# Altium PCB Rev with streo jack.PcbDoc
Units mm, origin at the board's own origin, x right, y up, seen from the top; angles counter-clockwise.
Board outline 96.2 x 166 mm, 2 copper layers (Top Layer, Bottom Layer); 59 components, 48 nets, 211 pads, 20 vias.
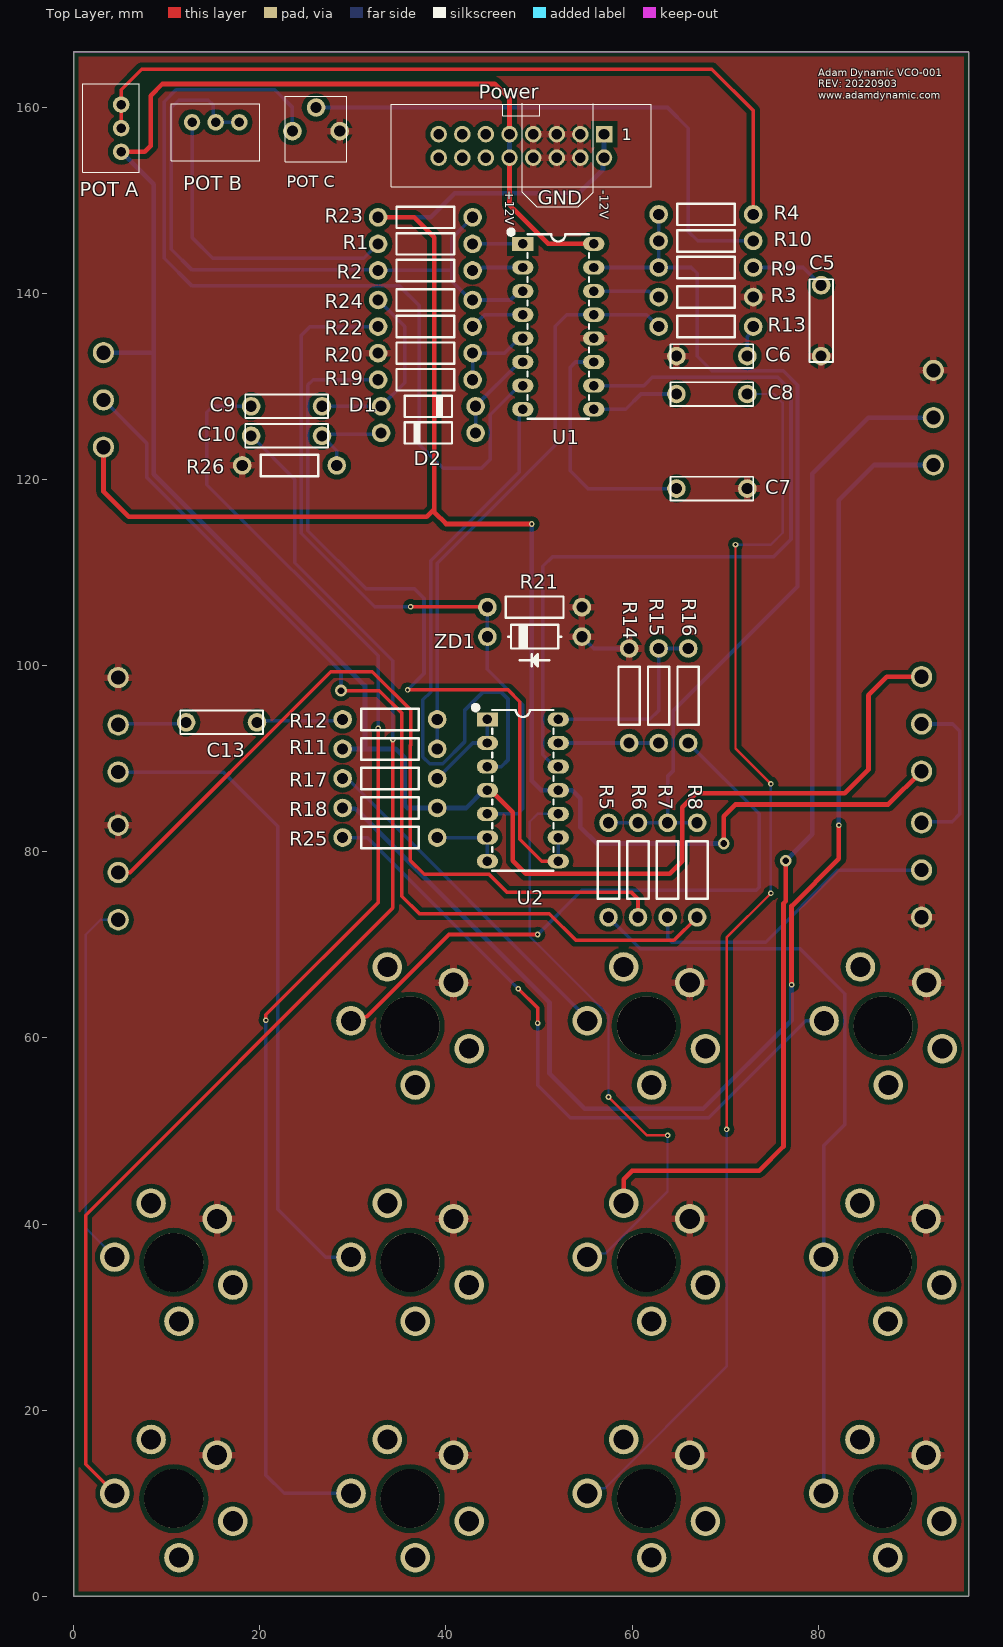
[diagram p0: Top Layer view]
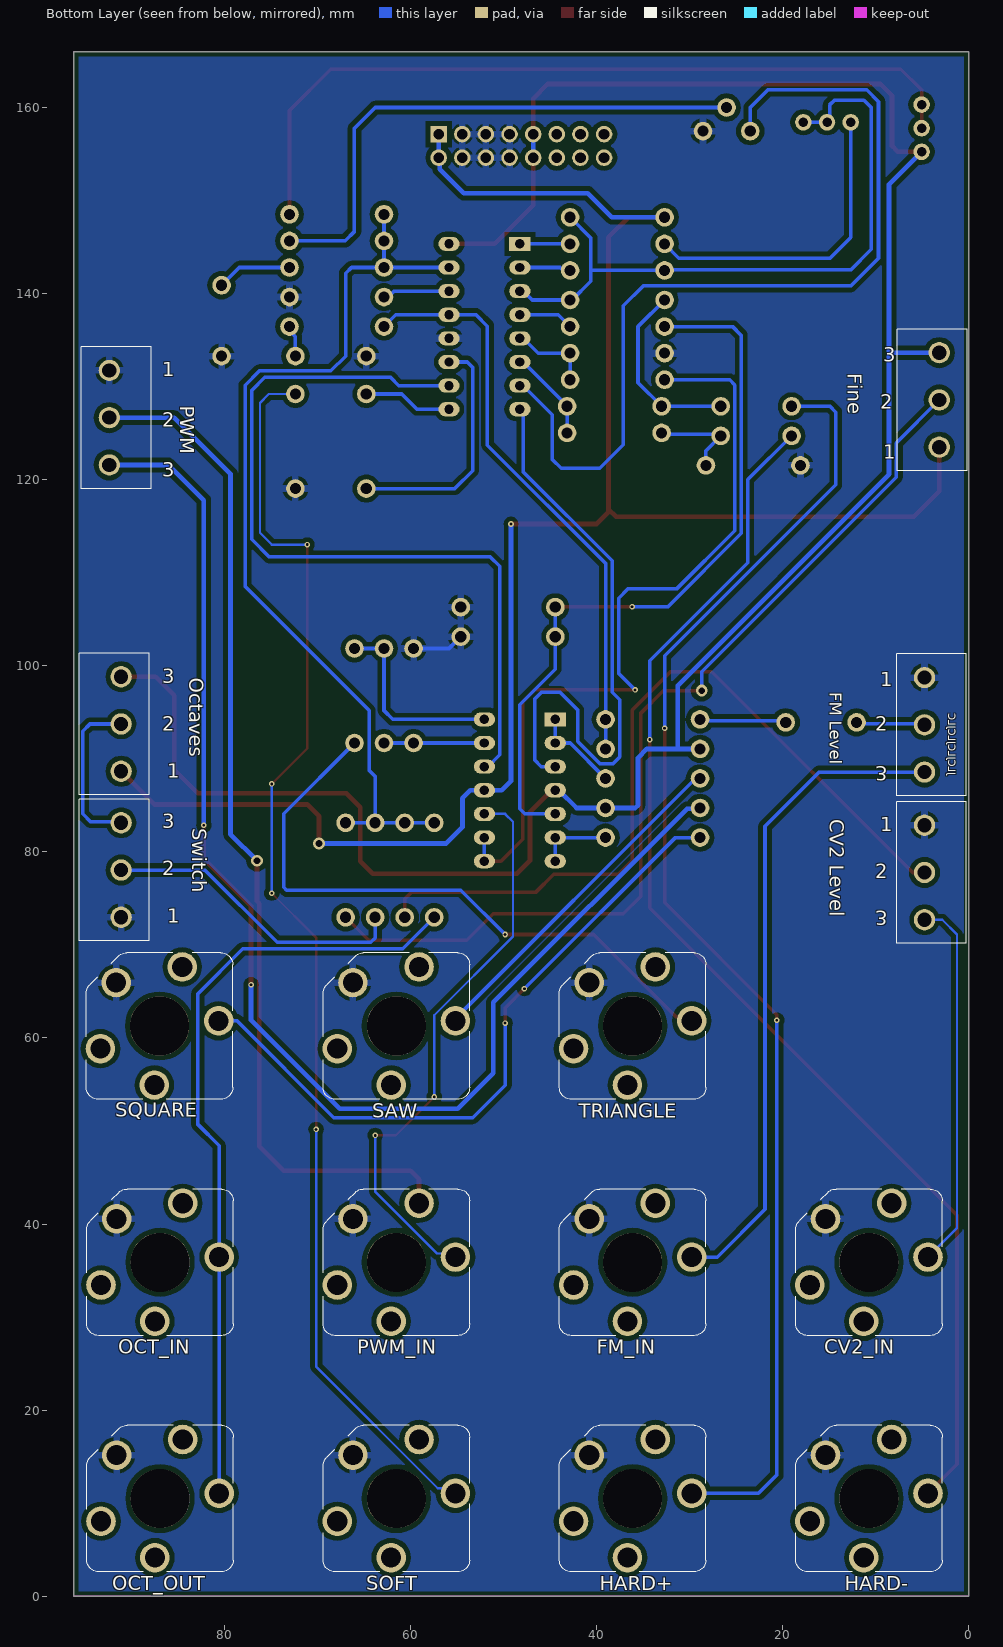
[diagram p1: Bottom Layer view, seen from below]
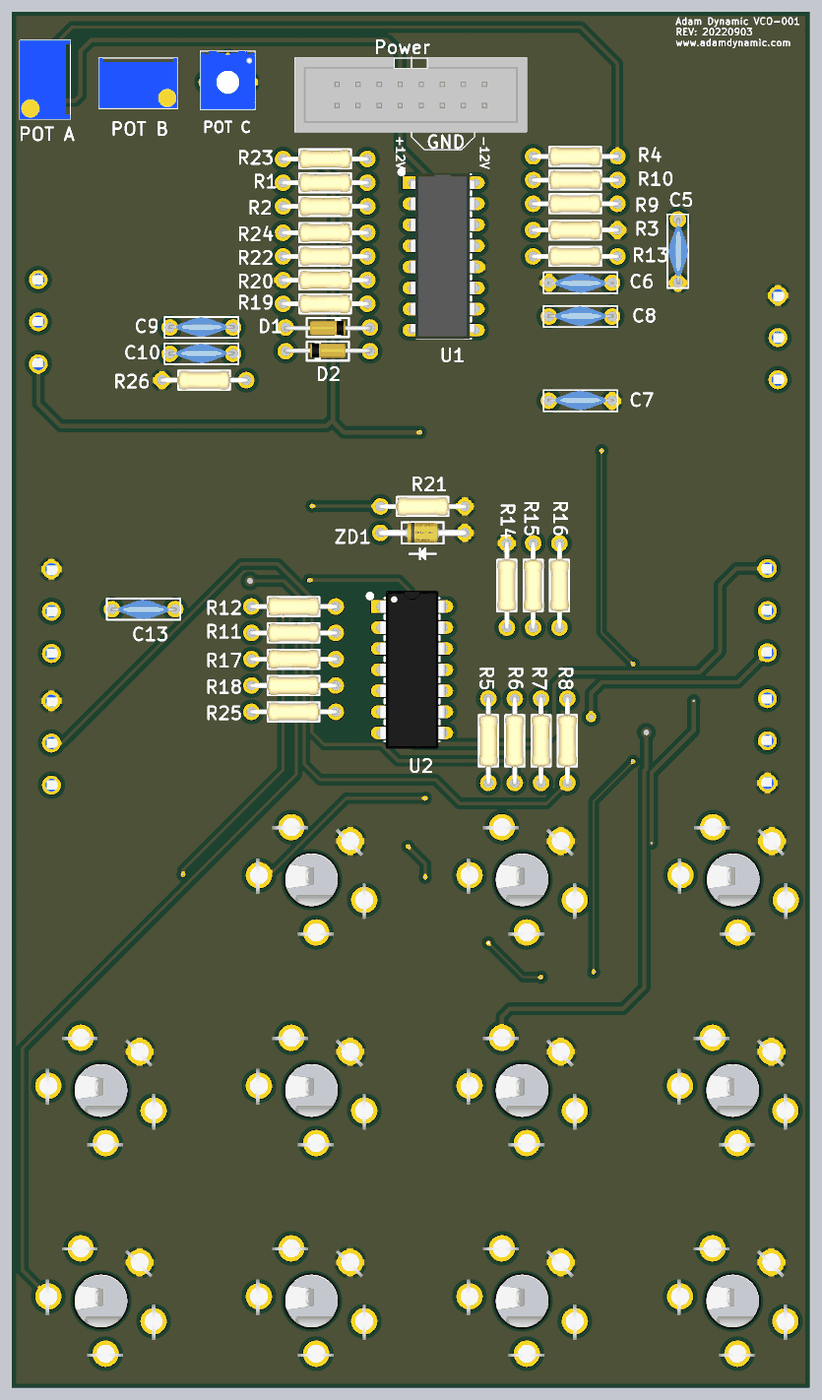
[diagram p2: 3D render of the assembled board from above, using the file's embedded part models]
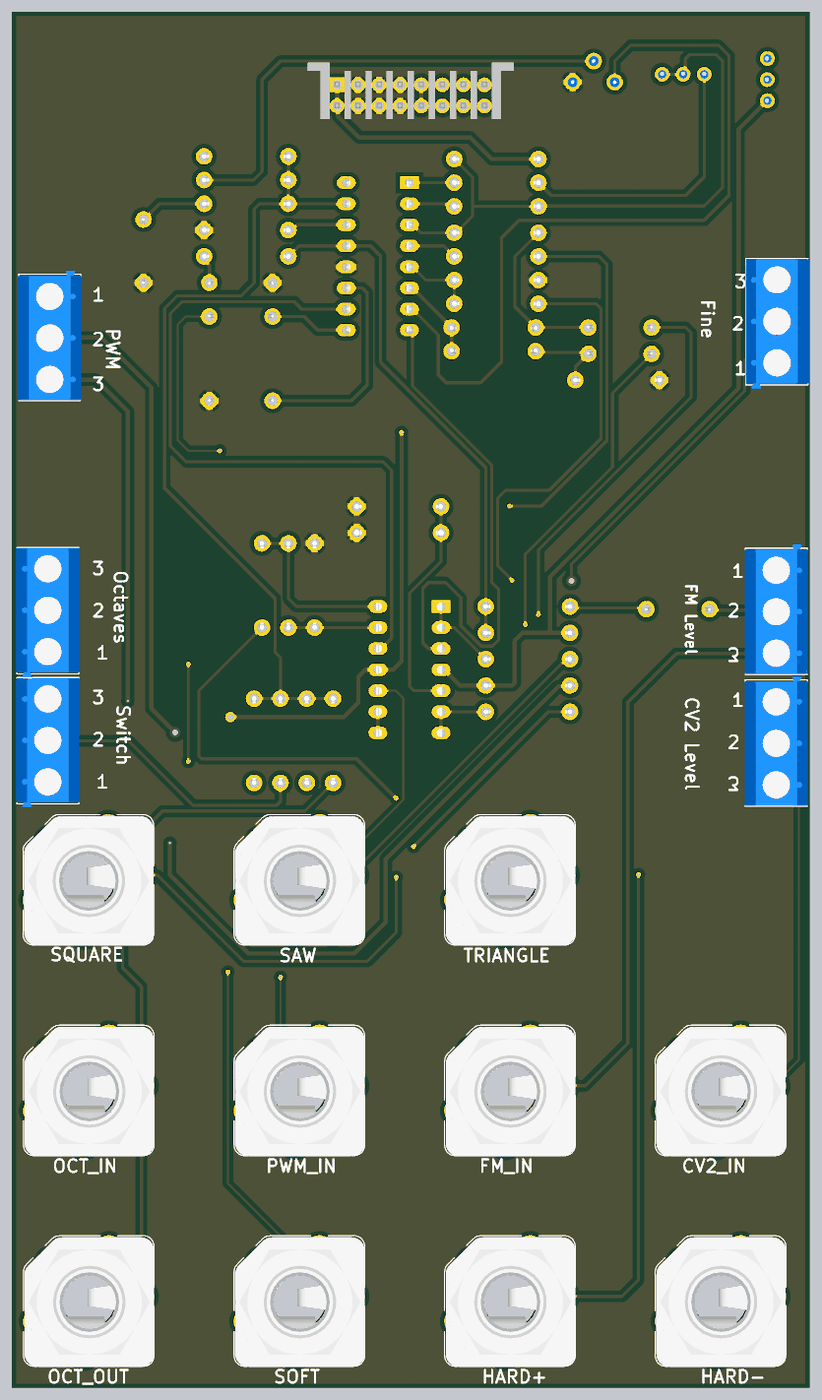
[diagram p3: 3D render of the assembled board from below, using the file's embedded part models]

## Layer stack, top to bottom
Top Solder: solder mask 0.0102, Solder Resist, Dk 3.5
Top Layer: signal copper 0.0356
Dielectric 1: dielectric 0.32, FR-4, Dk 4.8
Bottom Layer: signal copper 0.0356
Bottom Solder: solder mask 0.0102, Solder Resist, Dk 3.5

## Board outline
0,166 96.202,166 96.202,0 0,0

## Design rules (kind name [scope] priority, off if disabled: settings)
Clearance Clearance_1 [InPadClass('mount') vs InNamedPolygon('GND_L02_P002')] p1: gap=1.27 ignorepadtopadclearanceinfootprint=FALSE
Clearance [All] p2: gap=0.318 ignorepadtopadclearanceinfootprint=FALSE except(0.508: Arc-Poly Track-Poly SMDPad-Poly THPad-Poly Via-Poly Fill-Poly Poly-Poly)
PolygonConnect PolygonConnect_1 [HasFootprint('HEADER 8X2')] p1: connectstyle=Relief reliefconductorwidth=0.762 reliefentries=4 polygonreliefangle="90 Angle" airgapwidth=0.254
PolygonConnect [All] p2: connectstyle=Relief reliefconductorwidth=0.762 reliefentries=4 polygonreliefangle="90 Angle" airgapwidth=0.381
RoutingVias [All] p1: holewidth=0.711 width=1.27 viastyle="Through Hole" minholewidth=0.711 minwidth=1.27 maxholewidth=0.711 maxwidth=1.27
SolderMaskExpansion [All] p1: expansion=0.102
UnRoutedNet [All] p1: checkbadconnections=TRUE
Width "-12V Line" [InNet('-12V0')] p1: maxlimit=1 minlimit=0.254 preferedwidth=0.508
Width "+12V Line" [InNet('+12V0')] p2: maxlimit=1 minlimit=0.254 preferedwidth=0.508
Width [All] p3: maxlimit=1.27 minlimit=0.254 preferedwidth=0.381
29 further rules are at their usual default settings.

## Components (designator, comment, footprint, x,y, rotation, side; value= is the part's Value field where it differs from the comment)
C5 "10nF" "CAP RAD-0.3" 80.327,137.108 r90 top
C6 "10nF" "CAP RAD-0.3" 68.58,133.298 r0 top
C7 "500pF" "CAP RAD-0.3" 68.58,119.062 r180 top
C8 "1nF" "CAP RAD-0.3" 68.58,129.222 r180 top
C9 "1nF" "CAP RAD-0.3" 22.86,127.9 r180 top
C10 "1nF" "CAP RAD-0.3" 22.86,124.725 r180 top
C13 "100nF" "CAP RAD-0.3" 15.875,93.928 r0 top
"CV2 Level" "SCREW TERMINAL 3WAY" "SCREW TERMINAL 3WAY" 4.763,77.788 r270 bottom
CV2_IN "N114BPCX" SWITCHCRAFT_N114BPCX 10.738,35.884 r0 bottom
D1 "DIODE 1N4148" DO-35 38.1,127.9 r0 top
D2 "DIODE 1N4148" DO-35 38.1,125.043 r180 top
Fine "SCREW TERMINAL 3WAY" "SCREW TERMINAL 3WAY" 3.175,128.588 r90 bottom
"FM Level" "SCREW TERMINAL 3WAY" "SCREW TERMINAL 3WAY" 4.763,93.663 r270 bottom
FM_IN "N114BPCX" SWITCHCRAFT_N114BPCX 36.138,35.884 r0 bottom
HARD+ "N114BPCX" SWITCHCRAFT_N114BPCX 36.138,10.484 r0 bottom
HARD- "N114BPCX" SWITCHCRAFT_N114BPCX 10.738,10.484 r0 bottom
OCT_IN "N114BPCX" SWITCHCRAFT_N114BPCX 86.938,35.884 r0 bottom
OCT_OUT "N114BPCX" SWITCHCRAFT_N114BPCX 86.938,10.484 r0 bottom
Octaves "SCREW TERMINAL 3WAY" "SCREW TERMINAL 3WAY" 91.123,93.751 r90 bottom locked
"POT A" "100K" "RES VAR" 5.08,157.797 r90 top
"POT B" "10K" "RES VAR" 15.24,158.432 r180 top
"POT C" "10K" "RES VAR SQ" 26.035,158.75 r0 top
Power "HEADER 8X2" "HEADER 8X2" 48.1,155.893 r180 top locked
PWM "SCREW TERMINAL 3WAY" "SCREW TERMINAL 3WAY" 92.393,126.683 r270 bottom
PWM_IN "N114BPCX" SWITCHCRAFT_N114BPCX 61.538,35.884 r0 bottom
R1 "24K" "RES 6.2 x 0.5 x 2.3" 37.782,145.363 r0 top
R2 "5K6" "RES 6.2 x 0.5 x 2.3" 37.782,142.505 r0 top
R3 "1K8" "RES 6.2 x 0.5 x 2.3" 67.945,139.648 r0 top
R4 "270K" "RES 6.2 x 0.5 x 2.3" 67.945,148.538 r0 top
R5 "100K" "RES 6.2 x 0.5 x 2.3" 57.467,78.053 r270 top
R6 "100K" "RES 6.2 x 0.5 x 2.3" 60.642,78.053 r270 top
R7 "300K" "RES 6.2 x 0.5 x 2.3" 63.817,78.053 r270 top
R8 "3M3" "RES 6.2 x 0.5 x 2.3" 66.992,78.053 r270 top
R9 "470R" "RES 6.2 x 0.5 x 2.3" 67.945,142.823 r0 top
R10 "1M" "RES 6.2 x 0.5 x 2.3" 67.945,145.68 r180 top
R11 "1M5" "RES 6.2 x 0.5 x 2.3" 33.972,91.07 r180 top
R12 "1M" "RES 6.2 x 0.5 x 2.3" 33.972,94.245 r180 top
R13 "470R" "RES 6.2 x 0.5 x 2.3" 67.945,136.473 r0 top
R14 "100K" "RES 6.2 x 0.5 x 2.3" 59.69,96.785 r270 top
R15 "100K" "RES 6.2 x 0.5 x 2.3" 62.865,96.785 r90 top
R16 "1K" "RES 6.2 x 0.5 x 2.3" 66.04,96.785 r270 top
R17 "1K" "RES 6.2 x 0.5 x 2.3" 33.972,87.895 r180 top
R18 "20K" "RES 6.2 x 0.5 x 2.3" 33.972,84.72 r0 top
R19 "47K" "RES 6.2 x 0.5 x 2.3" 37.782,130.758 r0 top
R20 "47K" "RES 6.2 x 0.5 x 2.3" 37.782,133.615 r0 top
R21 "47K" "RES 6.2 x 0.5 x 2.3" 49.53,106.31 r180 top
R22 "2K" "RES 6.2 x 0.5 x 2.3" 37.782,136.473 r0 top
R23 "680R" "RES 6.2 x 0.5 x 2.3" 37.782,148.22 r0 top
R24 "10K" "RES 6.2 x 0.5 x 2.3" 37.782,139.33 r0 top
R25 "1K" "RES 6.2 x 0.5 x 2.3" 33.972,81.545 r0 top
R26 "10K" "RES 6.2 x 0.5 x 2.3" 23.177,121.55 r0 top
SAW "N114BPCX" SWITCHCRAFT_N114BPCX 61.538,61.284 r0 bottom
SOFT "N114BPCX" SWITCHCRAFT_N114BPCX 61.538,10.484 r0 bottom
SQUARE "N114BPCX" SWITCHCRAFT_N114BPCX 86.995,61.284 r0 bottom
Switch "SCREW TERMINAL 3WAY" "SCREW TERMINAL 3WAY" 91.123,78.053 r90 bottom locked
TRIANGLE "N114BPCX" SWITCHCRAFT_N114BPCX 36.138,61.284 r0 bottom
U1 "AS3340" "DIP 16 PIN" 52.07,136.473 r270 top locked
U2 "TL074" "DIP 14 PIN" 48.26,85.355 r270 top
ZD1 "DIODE ZENER10V" DO-41G 49.53,103.135 r180 top

## Footprints (in the part's own frame and the unit in brackets; to place one, negate y for a bottom-side part, rotate by r counter-clockwise, add the part's x,y. Pads: shape width x height; smd on the part's side, far side on the other; paste and mask are expansions set on the pad)
"CAP RAD-0.3" [mm]
  round 2 hole 1.2: 1(-3.81,0) 2(3.81,0)
  silkscreen extent -4.45,-1.27 4.44,1.27, body extent -4,-1.25 4,1.14, height 11.03
"DIP 14 PIN" [mil]
  rect 60x90 hole 40: 1(-350,-150)
  oval 60x90 hole 40: 2(-250,-150) 3(-150,-150) 4(-50,-150) 5(50,-150) 6(150,-150) 7(250,-150) 8(250,150) 9(150,150) 10(50,150) 11(-50,150) 12(-150,150) 13(-250,150) 14(-350,150)
  silkscreen extent -410,-210 290,130, body extent -424,-157 326,157, height 162
"DIP 16 PIN" [mil]
  rect 60x90 hole 40: 1(-350,-150)
  oval 60x90 hole 40: 2(-250,-150) 3(-150,-150) 4(-50,-150) 5(50,-150) 6(150,-150) 7(250,-150) 8(350,-150) 9(350,150) 10(250,150) 11(150,150) 12(50,150) 13(-50,150) 14(-150,150) 15(-250,150) 16(-350,150)
  silkscreen extent -410,-210 390,130, body extent -394,-160 394,150, height 200
DO-35 [mm]
  round 2 hole 1.2: 1(-5.08,0) 2(5.08,0)
  silkscreen extent -2.54,-1.14 2.54,1.14, body extent -5.35,-0.95 5.35,0.8, height 2.15
DO-41G [mm]
  round 2 hole 1.2: 1(-5.08,0) 2(5.08,0)
  silkscreen extent -2.86,-1.27 2.86,3.17, body extent -5.47,-1.2 5.47,1.2, height 2.52
"HEADER 8X2" [mil]
  rect 70x70 hole 45: 1(-350,-50)
  round 70 hole 45: 2(-350,50) 3(-250,-50) 4(-250,50) 5(-150,-50) 6(-150,50) 7(-50,-50) 8(-50,50) 9(50,-50) 10(50,50) 11(150,-50) 12(150,50) 13(250,-50) 14(250,50) 15(350,-50) 16(350,50)
  silkscreen extent -550,-177 550,173, body extent -550,-177 550,173, height 337
"RES 6.2 x 0.5 x 2.3" [mm]
  round 2 hole 1.2: 1(-5.08,0) 2(5.08,0)
  silkscreen extent -3.1,-1.15 3.1,1.15, body extent -5.4,-1.15 5.36,1.15, height 2.43
"RES VAR" [mil] "MULTITURN 100MIL PITCH"
  round 70 hole 40: 1(-100,0) 2(0,0) 3(100,0)
  silkscreen extent -187,-77 188,163, body extent -188,-78 188,162, height 455
"RES VAR SQ" [mm] "TRIMPOT"
  round 2 hole 1.2: 1(-2.54,-1.27) 2(0,1.27) 3(2.54,-1.27)
  silkscreen extent -3.3,-4.57 3.3,2.48, body extent -3.3,-4.57 3.3,2.48, height 4.7
"SCREW TERMINAL 3WAY" [mil] "SCREW TERMINAL 3WAY 5.08mm"
  round 90 hole 60: 1(-200,0) 2(0,0) 3(200,0)
  silkscreen extent -300,-118 300,177, body extent -317,-120 297,179, height 394
SWITCHCRAFT_N114BPCX [mil]
  round 125 hole 85: R(22,250) RS(250,96) SLV(183.8,-183.8) T(-250,-22) TS(-96,-250)
  round 250 hole 250 unplated: ""(0,0)
  silkscreen extent -310,-310 310,310, body extent -310,-303 305,312, height 1697

## Part data
C5 C6 C7 C8 C9 C10 C13: library part "CAP 1nF"
"CV2 Level" Fine "FM Level" Octaves PWM Switch: "SCREW TERMINAL 3WAY 5.08mm"
CV2_IN FM_IN HARD+ HARD- OCT_IN OCT_OUT PWM_IN SAW SOFT SQUARE TRIANGLE: "Conn 1/4'' Phone Jack F 3 POS Solder ST Thru-Hole 5 Terminal 1 Port", Package=None, Availability=Unavailable, MP=N114BPCX, Price=None
D1 D2: "Small Signal Fast Switching Diodes"
"POT A" "POT B" "POT C": library part ResTrimpot, "Multiturn"
R1 R2 R3 R4 R5 R6 R7 R8 R9 R10 R11 R12 R13 R14 R15 R16 R17 R18 R19 R20 R21 R22 R23 R24 R25 R26: library part Res2, "Resistor", LatestRevisionDate=17-Jul-2002, LatestRevisionNote="Re-released for DXP Platform.", PackageReference=AXIAL-0.4, Published=8-Jun-2000, Publisher="Altium Limited"
U1: "Voltage Controlled Oscillator (VCO)"
U2: "Low-Noise FET-Input Operational Amplifiers"

## Via types
v1: diameter 0.6, hole 0.3, Top Layer to Bottom Layer, 15 vias
v2: diameter 1.27, hole 0.711, Top Layer to Bottom Layer, tented both sides, 2 vias
v3: diameter 0.6, hole 0.3, Top Layer to Bottom Layer, tented both sides, 2 vias
v4: diameter 1.27, hole 0.711, Top Layer to Bottom Layer, 1 vias

## Nets (pads, with @x,y where several pads share a name; then routed paths per layer and width w, separated by ;. In a path a pad name is that pad's centre, name@x,y a point inside that pad or via, vN(x,y) a via of type N, cw(c..) or ccw(c..) an arc to the next point about the centre after c; other vN are vias at no path point)
"0-10V SAWTOOTH WAVE OUT": R17.2 SAW.T | length 37.2
  Bottom Layer w0.381: R17.2 29.141,87.646 29.637,87.646 55.188,62.095 SAW.T
"0-10V SQ WAVE OUT": R25.1 SQUARE.T | length 73.4
  Top Layer w0.381: v1(47.777,65.298) 49.847,63.228 v1(49.847,61.595)
  Bottom Layer w0.381: R25.1 31.531,81.545 v1(47.777,65.298) ; v1(49.847,61.595) 49.847,54.928 53.34,51.435 68.262,51.435 78.67,61.843 SQUARE.T
"0-10V TRI WAVE OUT": R16.2 TRIANGLE.T | length 68.5
  Top Layer w0.381: TRIANGLE.T 30.247,62.301 31.504,62.301 40.322,71.12 v1(49.847,71.12)
  Bottom Layer w0.381: v1(49.847,71.12) 54.61,75.883 73.342,75.883 73.66,76.2 73.66,84.085 R16.2
"1V/OCT IN": OCT_IN.T OCT_OUT.T R5.2 | length 83.5
  Bottom Layer w0.381: R5.2 60.866,69.574 78.063,69.574 82.867,64.77 82.867,50.695 80.588,48.416 OCT_IN.T OCT_OUT.T
+12V0: "POT A.1" Fine.3 Octaves.3 Power.9 Power.10 R11.2 R18.2 U1.16 U2.4 | length 243.6
  Top Layer w0.508: 5.08,155.257 7.62,155.257 8.255,155.892 8.255,161.29 9.525,162.56 45.243,162.56 46.83,160.972 Power.9 ; U2.4 44.831,86.625 47.18,84.276 47.18,79.056 48.577,77.659 64.059,77.659 65.409,79.009 65.409,84.796 66.907,86.295 82.867,86.295 85.407,88.835 85.407,96.838 87.401,98.831 Octaves.3 ; Power.10 46.83,149.506 50.973,145.363 U1.16
  Bottom Layer w0.508: Fine.3 8.572,133.668 ; 5.08,155.257 8.572,151.765 8.572,133.667 ; R11.2 31.432,91.07 ; U2.4 44.069,86.625 42.164,84.72 R18.2 35.858,84.72 35.56,85.018 35.56,90.118 34.607,91.07 31.432,91.07 ; Power.10 Power.9 ; 8.572,133.667 8.572,120.597 31.289,97.881 31.289,91.213 31.432,91.07
-12V0: Fine.1 Octaves.1 Power.1 Power.2 R23.1 U2.11 | length 198.4
  Top Layer w0.508: Fine.1 3.175,118.745 5.897,116.023 37.918,116.023 38.735,116.84 ; R23.1 36.565,148.22 38.735,146.05 38.735,116.84 ; v1(49.212,115.252) 40.005,115.252 38.735,116.522 38.735,116.84 ; v4(69.85,80.91) 69.85,83.82 71.131,85.101 87.553,85.101 Octaves.1
  Bottom Layer w0.508: R23.1 38.365,148.22 40.957,150.812 54.292,150.812 56.887,153.407 56.887,154.519 Power.2 Power.1 ; v1(49.212,115.252) 49.212,87.63 50.217,86.625 U2.11 53.572,86.625 54.436,85.761 54.436,82.671 56.197,80.91 v4(69.85,80.91)
"CV2 INPUT": "CV2 Level.3" CV2_IN.T | length 40.1
  Bottom Layer w0.254: CV2_IN.T 1.27,39.56 1.27,68.551 1.27,71.12 2.857,72.707 4.763,72.707
"FM INPUT": "FM Level.3" FM_IN.T | length 70.7
  Bottom Layer w0.381: 4.763,88.583 16.069,88.583 21.907,82.744 21.907,41.593 27.057,36.443 FM_IN.T
GND: "CV2 Level.1" "FM Level.1" "POT C.3" C5.1 C6.1 C7.1 CV2_IN.SLV FM_IN.SLV HARD+.SLV HARD-.SLV OCT_IN.SLV OCT_OUT.SLV Power.3 Power.4 Power.5 Power.6 Power.7 Power.8 PWM.1 PWM_IN.SLV R3.2 R14.1 R20.1 R21.1 R26.1 SAW.SLV SOFT.SLV SQUARE.SLV Switch.1 TRIANGLE.SLV U1.12 ZD1.1 | length 5.6
  Bottom Layer w0.381: ZD1.1 55.88,101.865 R14.1
"HARD SYNC IN +": C9.2 HARD+.T | length 141.9
  Top Layer w0.381: v1(20.637,61.913) 20.637,62.495 32.702,74.56 v1(32.702,93.293)
  Bottom Layer w0.381: C9.2 14.922,127.9 14.287,127.265 14.287,119.486 32.702,101.071 v1(32.702,93.293) ; v1(20.637,61.913) 20.637,13.018 22.612,11.043 HARD+.T
"HARD SYNC IN -": C10.2 HARD-.T | length 135
  Top Layer w0.381: HARD-.T 1.27,14.16 1.27,40.958 34.29,73.978 v1(34.29,92.075)
  Bottom Layer w0.381: C10.2 23.749,120.026 23.749,111.102 34.29,100.561 v1(34.29,92.075)
NetC5_2: C5.2 R9.2 | length 8.1
  Bottom Layer w0.381: R9.2 78.422,142.823 C5.2
NetC6_2: C6.2 R13.2 | length 3.4
  Bottom Layer w0.381: C6.2 72.39,135.399 73.025,136.034 R13.2
NetC7_2: C7.2 U1.11 | length 26.1
  Bottom Layer w0.381: U1.11 53.923,132.663 53.34,132.08 53.34,120.968 55.245,119.063 C7.2
NetC8_2: C8.2 U1.9 | length 9.6
  Bottom Layer w0.381: U1.9 59.32,127.583 60.96,129.223 C8.2
NetC9_1: C9.1 D1.1 R24.1 | length 20
  Bottom Layer w0.381: C9.1 D1.1 35.56,130.44 35.56,136.473 R24.1
NetC10_1: C10.1 D2.2 R26.2 | length 10.3
  Bottom Layer w0.381: R26.2 28.257,123.138 C10.1 26.829,124.884 32.861,124.884 D2.2
NetC13_1: "FM Level.2" C13.1 | length 7.4
  Bottom Layer w0.381: 4.763,93.663 4.895,93.795 11.932,93.795 C13.1
NetC13_2: C13.2 R12.2 | length 9.3
  Bottom Layer w0.381: C13.2 19.844,94.086 28.734,94.086 R12.2
"NetCV2 Level_2": "CV2 Level.2" R6.2 | length 86.4
  Top Layer w0.381: 4.763,77.787 6.032,77.787 27.622,99.378 32.067,99.378 36.195,95.25 36.195,91.465 36.17,91.44 36.17,79.083 37.653,77.599 44.621,77.599 46.577,75.643 59.944,75.643 60.642,74.945 R6.2
NetD1_2: D1.2 D2.1 U1.6 | length 9.9
  Bottom Layer w0.381: D2.1 D1.2 43.18,127.932 47.911,132.663 U1.6
NetFine_2: Fine.2 R8.2 | length 103.8
  Top Layer w0.381: v2(28.712,97.336) 32.839,97.336 35.242,94.933 35.242,75.248 37.148,73.343 51.117,73.343 53.975,70.485 64.505,70.485 R8.2
  Bottom Layer w0.381: Fine.2 7.81,123.952 7.81,120.282 28.712,99.381 v2(28.712,97.336)
NetOctaves_2: Octaves.2 Switch.3 | length 17.9
  Bottom Layer w0.381: Switch.3 91.25,83.26 94.424,83.26 95.25,84.085 95.25,92.975 94.474,93.751 Octaves.2
"NetPOT A_2": "POT A.2" "POT A.3" R4.2 | length 86
  Top Layer w0.381: 5.08,157.797 5.08,160.338 5.08,161.925 7.302,164.148 68.58,164.148 73.025,159.703 R4.2
"NetPOT B_1": "POT B.1" "POT B.2" R2.1 R23.2 R24.2 U1.3 | length 72.5
  Bottom Layer w0.381: 17.78,158.433 15.24,158.433 14.973,158.7 14.973,160.287 14.445,160.815 11.272,160.815 10.477,160.02 10.477,144.78 12.7,142.558 32.65,142.558 R2.1 40.64,142.505 ; R23.2 40.64,145.997 40.64,142.505 ; U1.3 47.879,140.283 46.926,139.33 R24.2 42.665,139.33 40.64,141.355 40.64,142.505
"NetPOT B_3": "POT B.3" R1.1 | length 33.9
  Bottom Layer w0.381: 12.7,158.433 12.7,146.05 14.922,143.827 31.167,143.827 R1.1
"NetPOT C_1": "POT C.1" U1.7 | length 97.6
  Bottom Layer w0.381: 23.495,157.48 23.495,160.02 21.59,161.925 10.981,161.925 9.711,160.655 9.711,143.827 12.7,140.838 35.004,140.838 37.147,138.695 37.147,123.773 39.687,121.233 43.815,121.233 44.767,122.185 44.767,127.011 47.879,130.123 U1.7
"NetPOT C_2": "POT C.2" R10.1 | length 59.4
  Bottom Layer w0.381: 26.035,160.02 63.817,160.02 66.04,157.797 66.04,146.685 67.045,145.68 R10.1
NetPWM_2: PWM.2 PWM_IN.TS | length 110.3
  Top Layer w0.508: PWM_IN.TS 59.099,44.812 60.007,45.72 73.66,45.72 76.281,48.341 76.281,74.472 76.517,74.709 v2(76.517,79.058)
  Bottom Layer w0.508: v2(76.517,79.058) 79.375,81.915 79.375,120.65 85.407,126.682 PWM.2
NetPWM_3: PWM.3 R18.1 | length 139.8
  Top Layer w0.508: v3(77.152,65.723) 77.152,74.176 82.232,79.256 v3(82.232,82.868)
  Bottom Layer w0.508: R18.1 28.969,84.643 30.292,84.643 51.117,63.818 51.117,56.198 54.927,52.388 67.627,52.388 77.152,61.913 v3(77.152,65.723) ; v3(82.232,82.868) 82.232,117.792 86.042,121.602 PWM.3
NetPWM_IN_T: PWM_IN.T U2.10 | length 62.2
  Top Layer w0.254: v1(57.468,53.658) 61.595,49.53 v1(63.817,49.53)
  Bottom Layer w0.254: U2.10 49.847,84.085 49,83.238 49,70.904 57.468,62.437 v1(57.468,53.658) ; PWM_IN.T 55.581,36.836 57.156,36.836 63.817,43.498 v1(63.817,49.53)
NetR1_2: R1.2 U1.1 | length 5.4
  Bottom Layer w0.381: R1.2 U1.1
NetR2_2: R2.2 U1.2 | length 6
  Bottom Layer w0.381: R2.2 42.862,142.188 43.301,142.188 43.936,142.823 U1.2
NetR3_1: R3.1 U1.14 | length 7.2
  Bottom Layer w0.381: U1.14 61.792,140.283 62.427,139.648 R3.1
NetR4_1: R4.1 R5.1 R6.1 R7.1 R8.1 R9.1 R10.2 U1.15 | length 100.4
  Bottom Layer w0.381: U1.15 R9.1 ; R5.1 R6.1 R7.1 ; R4.1 R10.2 R9.1 ; R8.1 R7.1 ; R9.1 66.357,142.823 66.992,142.188 66.992,133.298 68.58,131.71 76.252,131.71 77.787,130.175 77.787,108.533 64.452,95.198 64.452,88.749 63.817,88.114 R7.1
NetR7_2: R7.2 Switch.2 | length 32.9
  Bottom Layer w0.381: R7.2 63.817,70.75 64.295,70.273 74.355,70.273 82.134,78.053 Switch.2
NetR11_1: R11.1 R12.1 R13.1 U1.13 | length 62.9
  Bottom Layer w0.381: R11.1 R12.1 39.052,111.021 51.752,123.721 51.752,136.525 52.97,137.743 U1.13 61.595,137.743 R13.1
NetR14_2: R14.2 R15.1 U2.13 | length 10.8
  Bottom Layer w0.381: U2.13 R14.2 R15.1
NetR15_2: R15.2 R16.1 U2.14 | length 21
  Bottom Layer w0.381: U2.14 61.912,94.245 62.865,95.198 R15.2 R16.1
NetR17_1: R17.1 U2.1 U2.2 | length 9.5
  Bottom Layer w0.381: R17.1 42.862,91.705 U2.2 U2.1
NetR19_1: R19.1 U2.8 U2.9 | length 84.6
  Top Layer w0.381: v1(35.877,97.42) 46.672,97.42 47.942,96.15 47.942,81.355 50.292,79.005 U2.8
  Bottom Layer w0.381: R19.1 25.717,130.758 25.146,130.186 25.146,114.537 31.415,108.267 36.65,108.267 37.638,107.28 37.638,99.18 v1(35.877,97.42) ; U2.8 U2.9
NetR19_2: R19.2 R20.2 U1.5 | length 8.9
  Bottom Layer w0.381: R19.2 R20.2 46.291,133.615 47.879,135.203 U1.5
NetR21_2: R21.2 R22.1 U2.5 ZD1.2 | length 80.5
  Top Layer w0.381: v1(36.195,106.362) 44.397,106.362 R21.2
  Bottom Layer w0.381: R22.1 25.4,136.473 24.447,135.52 24.447,114.248 32.332,106.362 v1(36.195,106.362) ; U2.5 47.719,84.085 48.26,84.626 48.26,95.833 44.45,99.643 ZD1.2 R21.2
NetR22_2: R22.2 U1.4 | length 5.9
  Bottom Layer w0.381: R22.2 44.132,137.743 U1.4
NetR25_2: R25.2 U2.6 U2.7 | length 7.9
  Bottom Layer w0.381: R25.2 U2.6 U2.7
NetU1_8: U1.8 U2.3 | length 66
  Bottom Layer w0.381: U2.3 45.952,89.165 46.664,89.876 46.664,96.441 45.964,97.141 43.92,97.141 42.041,95.261 42.041,91.871 39.652,89.483 38.244,89.483 37.52,90.206 37.52,96.34 38.345,97.166 38.345,111.301 47.883,120.839 47.883,127.583 U1.8
NetU1_10: U1.10 U2.12 | length 88.5
  Bottom Layer w0.381: U2.12 51.689,89.165 50.419,90.435 50.419,110.692 51.435,111.708 75.195,111.708 77.089,113.602 77.089,129.603 75.681,131.012 62.166,131.012 61.277,130.123 U1.10
"SOFT SYNC IN": C8.1 SOFT.T | length 136.3
  Top Layer w0.254: v1(70.167,50.165) 70.167,70.803 v1(74.93,75.565) ; v1(71.12,113.03) 71.12,91.123 v1(74.93,87.313)
  Bottom Layer w0.254: SOFT.T 55.747,11.602 57.088,11.602 70.167,24.681 v1(70.167,50.165) ; v1(71.12,113.03) 74.93,113.03 76.2,114.3 76.2,128.27 75.247,129.223 C8.1 ; v1(74.93,75.565) v1(74.93,87.313)
pads on no net: CV2_IN. CV2_IN.R CV2_IN.RS CV2_IN.TS FM_IN. FM_IN.R FM_IN.RS FM_IN.TS HARD+. HARD+.R HARD+.RS HARD+.TS HARD-. HARD-.R HARD-.RS HARD-.TS OCT_IN. OCT_IN.R OCT_IN.RS OCT_IN.TS OCT_OUT. OCT_OUT.R OCT_OUT.RS OCT_OUT.TS Power.11 Power.12 Power.13 Power.14 Power.15 Power.16 PWM_IN. PWM_IN.R PWM_IN.RS SAW. SAW.R SAW.RS SAW.TS SOFT. SOFT.R SOFT.RS SOFT.TS SQUARE. SQUARE.R SQUARE.RS SQUARE.TS TRIANGLE. TRIANGLE.R TRIANGLE.RS TRIANGLE.TS

## Polygon pours and split planes (outlines as drawn)
GND on Bottom Layer "GND_L02_P002" (solid, remove dead copper, pour order 2): 96.202,166 96.202,0 0,0 0,166
GND on Top Layer "GND_L01_P004" (solid, remove dead copper, pour order 4): 96.202,166 96.203,0 0,0 0,166

## Keep-outs
Keep-Out Layer:
  the board outline again, w0.013

## Silkscreen, mask and mechanical layers (free items; w line width, h text height)
Top Overlay:
  lines w0.127: 48.191,160.494 48.191,150.914 49.779,149.326 54.224,149.326 55.811,150.914 55.811,160.439
  text "Adam Dynamic VCO-001 / REV: 20220903 / www.adamdynamic.com" at 80.01,160.972 h0.8
  text "+12V" at 46.355,151.13 h1 r270
  text "-12V" at 56.515,151.13 h1 r270
  text "GND" at 49.847,149.542 h1.52
Bottom Overlay:
  text "3" at 9.207,132.715 h1.52
  text "1" at 86.677,131.127 h1.52
  text "2" at 9.525,127.635 h1.52
  text "2" at 86.677,125.73 h1.52
  text "1" at 9.207,122.237 h1.52
  text "3" at 86.677,120.332 h1.52
  text "3" at 86.677,98.108 h1.52
  text "1" at 9.525,97.79 h1.52
  text "2" at 10.033,93.028 h1.52
  text "2" at 86.677,93.028 h1.52
  text "3" at 10.033,89.218 h1.52 r180
  text "JLCJLCJLCJLC" at 2.222,88.265 h0.8 r90
  text "1" at 86.17,87.948 h1.52
  text "3" at 86.677,82.55 h1.52
  text "1" at 9.525,82.233 h1.52
  text "2" at 86.677,77.47 h1.52
  text "2" at 10.033,77.153 h1.52
  text "3" at 10.033,73.66 h1.52 r180
  text "1" at 86.17,72.39 h1.52
Mechanical 1:
  circle w0.013: c86.938,10.484 r5
  circle w0.013: c10.738,10.484 r5
  circle w0.013: c36.138,10.484 r5
  circle w0.013: c61.538,10.484 r5
  circle w0.013: c10.738,35.884 r5
  circle w0.013: c86.938,35.884 r5
  circle w0.013: c36.138,35.884 r5
  circle w0.013: c61.538,35.884 r5
  circle w0.013: c10.738,61.284 r5
  circle w0.013: c86.938,61.284 r3
  circle w0.013: c36.138,61.284 r5
  circle w0.013: c61.538,61.284 r5
  circle w0.013: c39.313,88.121 r1
Mechanical 16:
  lines w0.127: -70.68,131.218 -65.6,131.218 ; -70.68,179.478 -70.68,-13.562 221.42,-13.562 221.42,179.478 ; -65.6,174.398 -65.6,-8.482 216.34,-8.482 ; 2.345,-13.562 2.345,-8.482 ; 2.345,174.398 2.345,179.478 ; 66.163,100.103 71.243,100.103 ; 66.163,148.363 71.243,148.363 ; 75.37,-13.562 75.37,-8.482 ; 75.37,174.398 75.37,179.478 ; 102.04,-0.862 216.34,-0.862 ; 102.04,6.758 216.34,6.758 ; 102.04,14.378 140.14,14.378 ; 140.14,-8.482 140.14,6.758 140.14,21.998 ; 148.395,-13.562 148.395,-8.482 ; 193.48,-8.482 193.48,6.758 ; 216.34,34.698 221.42,34.698 ; 140.14,21.998 102.04,21.998 102.04,-8.482 216.34,-8.482 ; 140.14,21.998 216.34,21.998 216.34,-8.482
  text "1" at -34.434,176.049 h1.78
  text "2" at 38.21,176.049 h1.78
  text "3" at 111.362,176.049 h1.78
  text "A" at -68.775,153.036 h1.78
  text "C" at 218.245,56.465 h1.78
  text "ENGINEER:" at 103.31,19.458 h1.14
  text "TITLE:" at 141.41,19.458 h1.14
  text "AdamDynamic" at 112.268,17.198 h2.54
  text "PCB DESIGNER:" at 103.31,11.965 h1.14
  text "DIGISOUND 80 VCO WITH AS3340" at 141.859,11.737 h5
  text "D" at 218.245,8.459 h1.78
  text "AdamDynamic" at 112.268,8.435 h2.54
  text "DATE:" at 103.31,4.218 h1.14
  text "PART NO.:" at 141.41,4.218 h1.14
  text "REV:" at 194.75,4.218 h1.14
  text "2.0" at 207.768,1.424 h2.54
  text ".PRINT_DATE" at 104.58,1.17 h1.78
  text "FILE NAME:" at 103.31,-3.402 h1.14
  text "DWG NO:" at 141.41,-3.402 h1.14
  text "SCALE:" at 194.75,-3.402 h1.14
  text "N/A" at 205.228,-6.196 h2.54
  text ".PCB_FILE_NAME_NO_PATH" at 104.58,-6.45 h1.78
  text "2" at 38.21,-11.911 h1.78
  text "3" at 111.362,-11.911 h1.78
  text "4" at 184.26,-11.911 h1.78

## Dimensions
0,0 to 96.202,0 on Mechanical 1
0,0 to 0,166 on Mechanical 1

## Text inside footprints (layer, text, board x,y; h text height)
Power: Top Overlay "1" at 58.895,156.528 h1.27